# KiCad board Registers.kicad_pcb (continued)
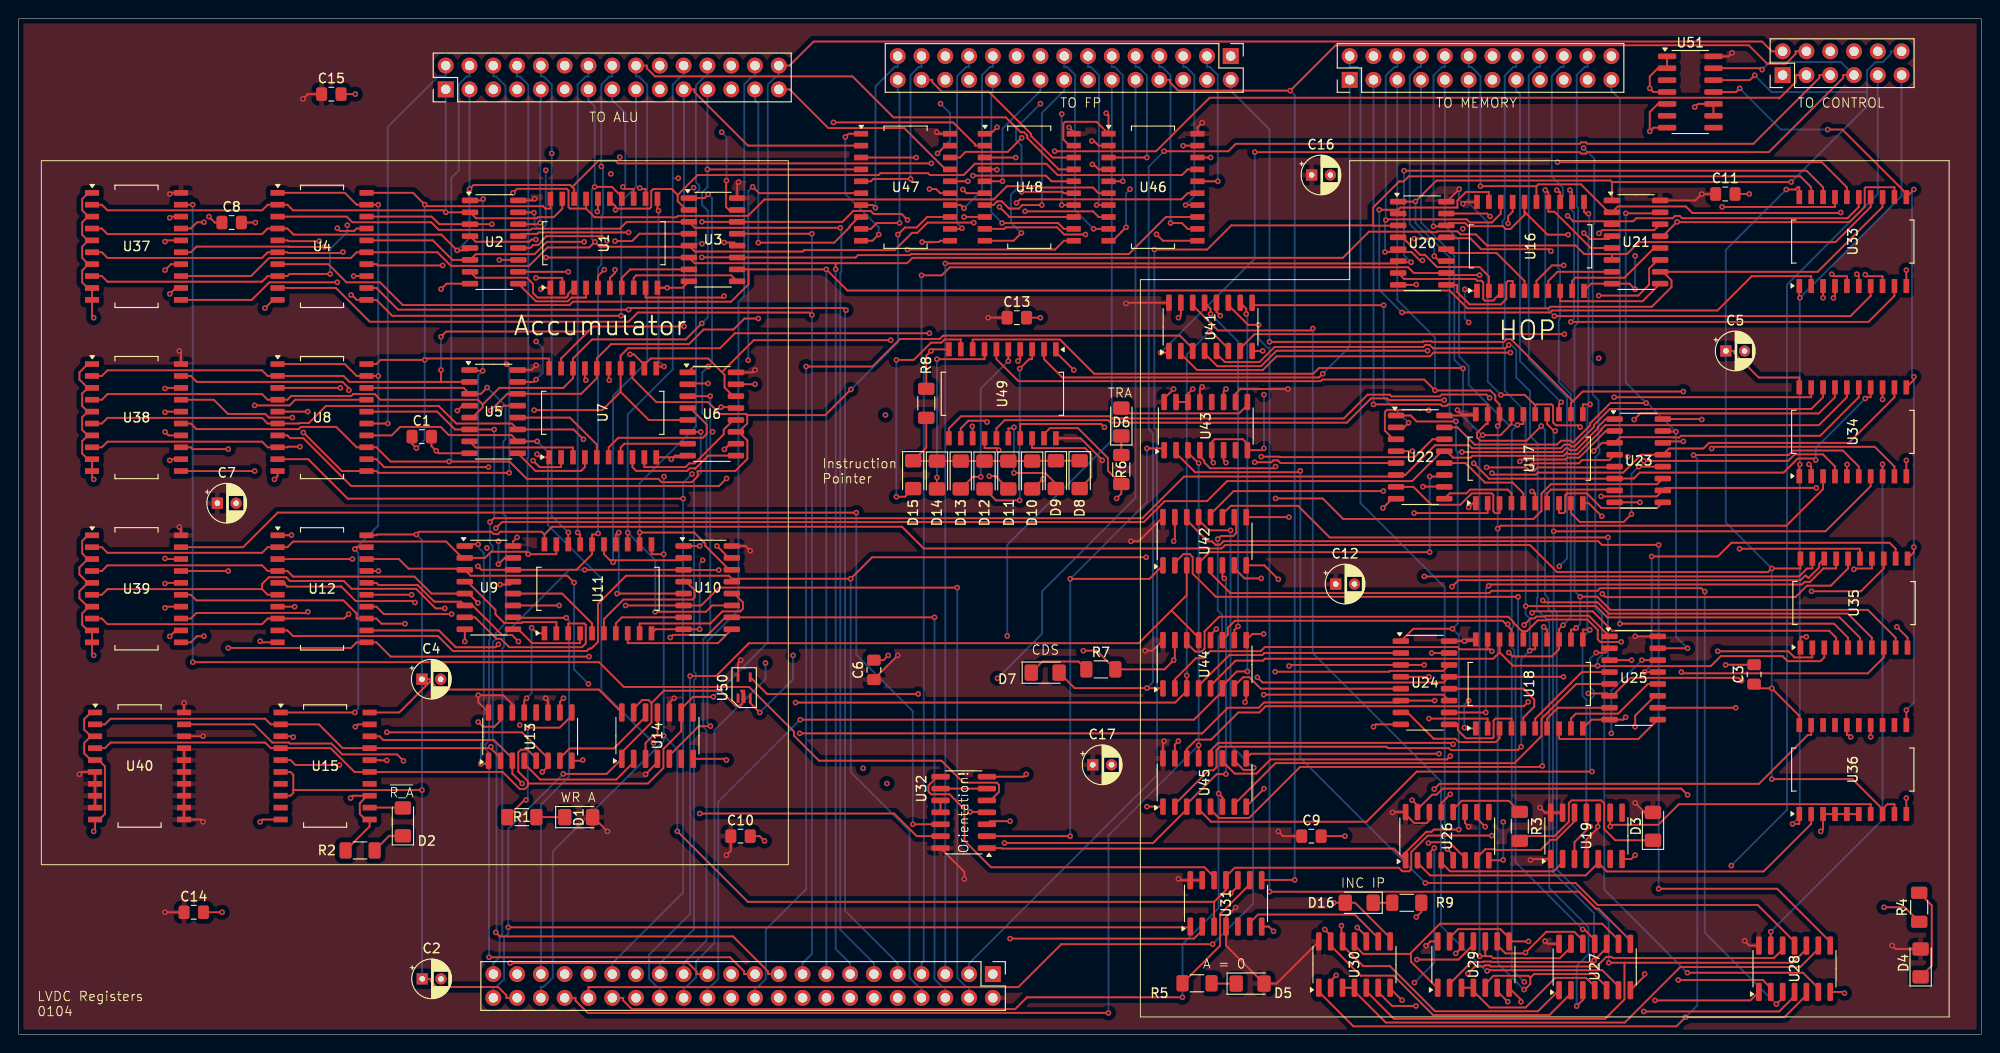
[diagram p0: board, top side]
## Routing (per net, layer and track width the routed paths; a pad name or vN(x,y) marks a point on that pad's centre or on a via; arc(x,y) is an arc through that point) (continued)
A14: length 166
  Top w0.2: U47.13 97,87.29 95.87,86.16 94.62,86.16 v1(93.87,85.41) ; 76.73,64.34 76.88,64.34 77.8,63.42 77.8,61.45 76.52,60.16 72.55,60.16 72.48,60.1 72.49,60.09 72.49,59.59 71.86,58.96 68.65,58.96 68.3,59.32 54.26,59.32 52.4,61.17 v1(45.96,61.17) 39.7,61.17 38.19,62.69 U8.13 36.08,62.69 33.9,64.87 30.14,64.87 29.89,64.63 18.98,64.63 18.37,65.23 U38.15 ; 76.73,64.34 U6.11 ; 76.73,64.34 76.89,64.34 77.78,65.24 77.78,66.12 ; 77.78,66.12 77.66,66.24 74.87,66.24 73.6,67.51 68.09,67.51 65.53,70.07 65.53,71.12 ; 77.78,66.12 86.12,66.12 v1(88.86,68.86)
  Bottom w0.2: v1(93.87,85.41) 93.87,73.88 v1(88.86,68.86) ; J2.4 48.13,102.3 47.84,102.3 46.98,101.44 46.98,92.26 46.19,91.48 46.19,61.41 v1(45.96,61.17)
A15: length 145.7
  Top w0.2: U6.14 76.29,68.15 75.36,69.08 75.36,70.43 75.07,70.72 ; U38.17 20.82,67.77 22.34,66.25 26.32,66.25 26.71,65.86 v1(29.22,65.86) ; v1(30.39,64.27) 34.51,60.15 U8.11 38.19,60.15 38.37,59.97 v1(52.37,59.97) ; v1(93.11,74.13) 78.48,74.13 75.07,70.72 ; 75.07,70.72 73.62,72.17 67.47,72.17 66.8,71.5 ; U7.12 66.8,71.5 ; 66.8,71.5 65.69,72.61 v1(65.26,72.61) ; v1(96.46,84.61) 98.25,84.61 98.39,84.75 U47.11
  In1.Cu w0.2: v1(96.46,84.61) 96.46,82.61 93.11,79.26 v1(93.11,74.13) ; v1(30.39,64.27) 29.22,65.44 v1(29.22,65.86)
  In2.Cu w0.2: v1(52.09,71.56) 53.14,72.61 v1(65.26,72.61)
  Bottom w0.2: v1(52.37,59.97) 52.37,71.28 v1(52.09,71.56) 51.97,71.67 51.97,101.29 50.96,102.3 50.67,102.3 J2.6
A16: length 159.1
  Top w0.2: U39.2 8.87,52.02 9.48,51.42 25.98,51.42 26.58,52.02 U12.2 28.69,52.02 29.29,52.62 45.64,52.62 47.38,50.88 U9.2 49.79,50.88 50.45,51.54 54.14,51.54 v1(54.4,51.27) 57.4,51.27 U11.19 ; U48.2 102.1,94.91 102.1,95.06 99.77,97.39 v1(86.99,97.39)
  In2.Cu w0.2: v1(86.99,97.39) 82.08,102.3 55.23,102.3 54.36,103.17 54.36,103.45 J2.8
  Bottom w0.2: J2.8 53.21,102.3 53.5,102.3 54.4,101.4 54.4,61.6 54.32,61.52 54.32,51.36 v1(54.4,51.27)
A17: length 161
  Top w0.2: U48.4 104.2,92.37 104.23,92.33 v1(104.45,92.33) ; U11.18 58.67,53.57 v1(58.69,53.59) ; v1(49.03,46.07) 48.04,47.07 U9.5 44.07,47.07 42.26,48.88 29.29,48.88 28.69,49.48 U12.4 26.58,49.48 25.98,50.08 9.48,50.08 8.87,49.48 U39.4
  In1.Cu w0.2: v1(49.03,46.07) 49.99,47.03 v1(49.99,51.93)
  In2.Cu w0.2: v1(49.99,51.93) 57.04,51.93 v1(58.69,53.59) ; v1(104.45,92.33) 95.7,92.33 93.77,94.27 57.1,94.27 v1(56.9,94.07)
  Bottom w0.2: J2.10 55.75,102.3 56.04,102.3 56.9,101.44 v1(56.9,94.07) 56.9,55.38 v1(58.69,53.59)
A18: length 173.2
  Top w0.2: 25.98,47.54 9.48,47.54 8.87,46.94 U39.6 ; 25.98,47.54 25.98,48.1 26.7,48.81 28.56,48.81 28.96,48.41 34.71,48.41 35.54,47.57 42.43,47.57 44.52,45.48 v1(45.49,45.48) ; 25.98,47.54 26.58,46.94 U12.6 ; v1(100.81,90.22) 101.2,89.83 U48.6 ; U9.11 v1(57.71,45.8) ; U11.17 59.94,53.38 59.89,53.38 v1(59.68,53.59)
  In1.Cu w0.2: v1(59.68,53.59) 59.68,48.72 59.91,48.49 59.91,47.99 v1(57.71,45.8) ; J2.14 60.83,102.3 61.1,102.3 62.1,101.3 62.1,95.74 v1(64.17,93.67)
  In2.Cu w0.2: v1(64.17,93.67) 91.38,93.67 95.38,89.66 98.2,89.66 98.75,90.22 v1(100.81,90.22) ; v1(57.71,45.8) 56.79,46.71 46.72,46.71 v1(45.49,45.48)
  Bottom w0.2: v1(59.68,53.59) 59.68,101.43 60.55,102.3 60.83,102.3 J2.14
A19: length 154.2
  Top w0.2: U48.8 v1(100.93,87.29) ; v1(49.04,49.97) 49.41,49.61 U9.14 59.55,49.61 61.21,51.27 U11.16 61.21,53.38 61.76,53.38 v1(61.87,53.48) ; v1(35.22,44.88) 34.74,44.4 U12.8 26.58,44.4 25.98,43.8 9.48,43.8 8.87,44.4 U39.8
  In2.Cu w0.2: v1(35.22,44.88) 40.32,49.97 v1(49.04,49.97) ; v1(62.21,92.68) 68.29,92.68 71.81,89.16 72.38,89.16 72.83,88.7 81.18,88.7 81.92,87.97 90.92,87.97 91.23,87.67 91.72,87.67 92.03,87.97 100.25,87.97 v1(100.93,87.29)
  Bottom w0.2: v1(61.87,53.48) 61.87,81.85 62.21,82.19 62.21,87.43 62.39,87.61 62.39,92.5 v1(62.21,92.68) 62.21,101.43 63.09,102.3 63.37,102.3 J2.16
A20: length 169.3
  Top w0.2: U48.17 111.05,92.37 107.69,95.72 107.69,95.98 107.34,96.34 106.99,96.34 105.4,97.93 93.39,97.93 89.02,102.3 67.93,102.3 67.06,103.17 67.06,103.45 J2.18 ; 63.47,50.63 70.74,50.63 U10.2 ; 63.47,50.63 v1(63.47,50.41) ; 63.47,50.63 63.13,50.63 62.48,51.27 U11.15 ; v1(38.41,49.48) U12.17 ; v1(19.78,42.51) 19.03,42.51 18.37,41.86 U39.11
  In2.Cu w0.2: v1(19.78,42.51) 26.74,49.48 v1(38.41,49.48) 39.5,50.57 49.29,50.57 50.86,49.01 62.06,49.01 v1(63.47,50.41)
  Bottom w0.2: J2.18 65.91,102.3 66.2,102.3 67.1,101.4 67.1,71.84 63.47,68.21 v1(63.47,50.41)
A21: length 166.1
  Top w0.2: U39.13 18.37,44.4 18.98,45 30.74,45 v1(30.87,45.13) ; U11.14 63.75,53.38 63.86,53.38 v1(64.07,53.59) ; U10.5 63.88,47.07 v1(63.88,47.06) ; U12.15 41.95,46.94 v1(41.95,46.94) ; v1(107.08,89.97) 111.45,89.97 111.6,89.83 U48.15
  In1.Cu w0.2: v1(64.07,53.59) 64.07,68.89 68.3,73.12 68.3,86.66 v1(72.06,90.42) 72.15,90.51 72.15,101.4 71.37,102.18 70.61,102.18 69.6,103.19 69.6,103.45 J2.20
  In2.Cu w0.2: v1(63.88,47.06) 63.78,47.16 42.18,47.16 v1(41.95,46.94) 39.27,44.26 31.73,44.26 v1(30.87,45.13) ; v1(107.08,89.97) 104.55,89.97 104.19,89.61 98.97,89.61 98.57,89.21 95.27,89.21 94.5,89.98 91.16,89.98 90.8,89.61 81.97,89.61 81.68,89.91 77.29,89.91 76.78,90.42 v1(72.06,90.42)
  Bottom w0.2: v1(64.07,53.59) 64.07,47.26 v1(63.88,47.06)
A22: length 171.1
  Top w0.2: U39.15 18.37,46.94 18.98,46.34 34.68,46.34 36.08,44.93 36.08,44.4 U12.13 38.19,44.4 38.73,43.85 v1(41.25,43.85) ; U48.13 105.79,87.29 v1(104.72,88.36) ; v1(65.02,53.58) U11.13 ; U10.11 74.05,45.8 73.39,45.13 v1(67.96,45.13)
  In2.Cu w0.2: v1(41.25,43.85) 41.75,43.35 53.98,43.35 54.83,42.49 65.32,42.49 v1(67.96,45.13) ; v1(104.72,88.36) 104.27,88.81 99.3,88.81 98.9,88.41 94.93,88.41 94.53,88.81 92.86,88.81 92.82,88.77 91.82,88.77 91.46,89.14 91.13,88.81 81.64,88.81 81.35,89.1 73,89.1 72.54,89.56 72.07,89.56 70.42,91.2 v1(70.42,91.43)
  Bottom w0.2: J2.22 70.99,102.3 70.71,102.3 69.84,101.44 69.84,91.43 ; 69.84,91.43 69.84,71.03 65.02,66.21 v1(65.02,53.58) 67.96,50.64 v1(67.96,45.13) ; 69.84,91.43 v1(70.42,91.43)
A23: length 175.7
  Top w0.2: v1(60.9,40.34) 39.71,40.34 38.19,41.86 U12.11 36.08,41.86 35.48,41.26 v1(22.37,41.26) ; U11.12 v1(66.29,53.59) 72.12,53.59 73.31,52.4 73.31,52.17 75.87,49.61 U10.14 ; U39.17 v1(22.37,49.48) ; v1(94.9,83.81) 110.66,83.81 111.6,84.75 U48.11
  In1.Cu w0.2: v1(60.9,40.34) 60.9,48.7 63.22,51.01 63.72,51.01 v1(66.29,53.59) ; v1(22.37,49.48) v1(22.37,41.26)
  In2.Cu w0.2: v1(72.95,84.43) 73.58,83.81 v1(94.9,83.81)
  Bottom w0.2: v1(66.29,53.59) 66.29,58.87 72.3,64.88 72.3,84.43 ; 72.3,84.43 72.3,89.81 72.66,90.17 72.66,90.66 72.3,91.02 72.3,101.36 73.25,102.3 73.53,102.3 J2.24 ; 72.3,84.43 v1(72.95,84.43)
A24: length 149.1
  Top w0.2: v1(50.42,30.71) 50.39,30.67 50.39,30.56 ; v1(73.86,32.9) 72.61,32.9 69.47,29.77 U14.5 ; 50.39,30.56 U15.17 34.59,30.56 32.05,33.1 U15.2 26.91,33.1 26.31,33.7 9.81,33.7 9.2,33.1 U40.2 ; 50.39,30.56 51.43,29.51 U13.2
  In2.Cu w0.2: v1(50.42,30.71) 54.22,30.71 56.42,32.9 v1(73.86,32.9)
  Bottom w0.2: v1(73.86,32.9) 73.53,33.23 73.53,41.98 76.85,45.3 76.85,78.24 77.46,78.85 77.46,101.44 78.32,102.3 78.61,102.3 J2.28
A25: length 260.7
  Top w0.2: U13.5 55.24,29.47 54.32,30.4 53.63,30.4 53.34,30.12 53.34,28.05 54.36,27.03 54.36,26.78 ; 54.36,26.78 67.18,26.78 68.83,28.43 68.83,30.47 70.74,32.38 U14.9 70.74,34.77 72.01,36.04 v1(74.17,36.04) ; 54.36,26.78 54.36,26.53 54,26.18 53.51,26.18 51.67,28.02 U15.15 35.85,28.02 33.31,30.56 U15.4 26.91,30.56 26.31,31.16 9.81,31.16 9.2,30.56 U40.4 ; J3.2 187.19,104.98 186.15,106.02 84.87,106.02 82.3,103.45 J2.30
  Bottom w0.2: J2.30 81.15,102.3 80.87,102.3 79.99,101.42 79.99,41.85 v1(74.17,36.04)
ACCUM_ZERO: length 161.3
  Top w0.2: v1(136.24,16.48) 132.74,16.48 U31.8 ; J5.8 122.94,101.93 122.94,101.64 123.81,100.78 v1(135.77,100.78) 140.61,105.62 184.72,105.62 186.7,103.65 188.67,103.65 189.73,104.71 189.73,104.98 J3.4
  Bottom w0.2: v1(135.77,100.78) 136.24,100.3 v1(136.24,16.48)
ACCW: length 257.6
  Top w0.2: v1(49.06,52.33) 47.81,52.33 U9.1 ; U10.1 v1(72.71,52.15) ; U6.1 72.06,71.32 v1(73.62,71.32) ; v1(49.35,28.88) 49.83,28.88 U13.1 ; v1(49.54,70.86) 48.22,70.86 U5.1 ; v1(73.62,89.71) 73.22,89.31 U3.1 ; v1(49.59,89.21) 49.44,89.05 U2.1
  In2.Cu w0.2: v1(49.06,52.33) 49.06,52.01 50.09,50.98 51.32,50.98 51.64,50.66 59.37,50.66 60.86,52.15 v1(72.71,52.15) ; v1(73.62,89.71) 73.82,89.51 81.51,89.51 81.81,89.21 90.96,89.21 91.33,89.57 91.59,89.57 91.99,89.17 92.66,89.17 92.7,89.21 94.7,89.21 95.1,88.81 98.73,88.81 99.13,89.21 104.35,89.21 104.53,89.39 106.79,89.39 106.86,89.32 108.16,89.32 108.38,89.54 174.29,89.54 187.19,102.44 J3.1
  Bottom w0.2: v1(49.35,28.88) 49.35,31.05 49.66,31.37 49.66,51.41 49.06,52.02 v1(49.06,52.33) 49.06,70.37 v1(49.54,70.86) 49.54,89.15 v1(49.59,89.21) ; v1(72.71,52.15) 73.43,52.87 73.43,65.88 72.98,66.34 72.98,70.67 v1(73.62,71.32) 74.02,71.72 74.02,89.3 v1(73.62,89.71)
BUFF_A0: length 13.3
  Top w0.2: U46.18 126.91,93.64 126.91,93.64 v1(127.27,93.64)
  In1.Cu w0.2: v1(127.27,93.64) 128.26,94.63 128.26,102.45 129.12,103.32 129.41,103.32 J5.1
BUFF_A1: length 16.2
  Top w0.2: v1(128.03,91.1) U46.16
  Bottom w0.2: v1(128.03,91.1) 128.03,102.45 127.16,103.32 126.87,103.32 J5.3
BUFF_A2: length 18.2
  Top w0.2: U46.14 v1(124.58,88.56)
  Bottom w0.2: J5.5 124.33,103.32 124.62,103.32 125.52,102.42 125.52,89.49 v1(124.58,88.56)
BUFF_A3: length 21.6
  Top w0.2: v1(122.98,86.64) 124.18,86.64 124.81,86.02 U46.12
  Bottom w0.2: v1(122.98,86.64) 122.98,102.42 122.08,103.32 121.79,103.32 J5.7
BUFF_A4: length 15.6
  Top w0.2: v1(120.46,93.64) U46.3
  Bottom w0.2: J5.9 119.25,103.32 119.54,103.32 120.46,102.4 v1(120.46,93.64)
BUFF_A5: length 15.6
  Top w0.2: U46.5 v1(117.89,91.1)
  Bottom w0.2: v1(117.89,91.1) 117.89,102.43 117,103.32 116.71,103.32 J5.11
BUFF_A6: length 17.9
  Top w0.2: U46.7 v1(115.09,88.56)
  Bottom w0.2: v1(115.09,88.56) 115.33,88.8 115.33,102.45 114.46,103.32 114.17,103.32 J5.13
BUFF_A7: length 21.5
  Top w0.2: v1(114.76,86.02) U46.9
  Bottom w0.2: v1(114.76,86.02) 112.78,87.99 112.78,102.45 111.92,103.32 111.63,103.32 J5.15
BUFF_A8: length 18.2
  Top w0.2: v1(107.09,95.74) 105.59,94.24 101.09,94.24 100.49,93.64 U47.18
  In1.Cu w0.2: v1(107.09,95.74) 107.82,96.47 107.82,102.32 108.82,103.32 109.09,103.32 J5.17
BUFF_A9: length 18.1
  Top w0.2: U47.16 v1(101.34,91.1)
  In1.Cu w0.2: v1(101.34,91.1) 102.17,91.1 105.4,94.33 105.4,102.45 106.26,103.32 106.55,103.32 J5.19
BUFF_A10: length 19.3
  Top w0.2: U47.14 100.57,88.56 v1(100.92,88.21)
  Bottom w0.2: J5.21 104.01,103.32 103.72,103.32 102.86,102.45 102.86,90.15 v1(100.92,88.21)
BUFF_A11: length 20.6
  Top w0.2: U47.12 100.49,86.02 100.56,86.08 v1(100.72,86.08)
  Bottom w0.2: J5.23 101.47,103.32 101.19,103.32 100.19,102.33 100.19,86.6 v1(100.72,86.08)
BUFF_A12: length 18.2
  Top w0.2: U47.3 v1(95.83,93.64)
  In1.Cu w0.2: J5.25 98.93,103.32 98.66,103.32 97.54,102.2 97.54,101.45 97.41,101.32 97.41,95.22 v1(95.83,93.64)
BUFF_A13: length 19.2
  Top w0.2: U47.5 90.99,91.1 91.24,91.34 v1(95.23,91.34)
  Bottom w0.2: J5.27 96.39,103.32 96.11,103.32 95.23,102.44 v1(95.23,91.34)
BUFF_A14: length 19
  Top w0.2: v1(91.48,88.27) 91.19,88.56 U47.7
  Bottom w0.2: J5.29 93.85,103.32 93.57,103.32 91.48,101.23 v1(91.48,88.27)
BUFF_A15: length 19.7
  Top w0.2: U47.9 90.99,86.02 91.62,86.64 v1(94.05,86.64)
  Bottom w0.2: J5.30 93.85,100.78 94.05,100.58 v1(94.05,86.64)
BUFF_A16: length 20
  Top w0.2: U48.18 110.4,93.64 108.09,95.94 108.09,96.15 103.58,100.66 98.57,100.66 97.54,101.69 97.54,101.93 J5.28
BUFF_A17: length 22.5
  Top w0.2: v1(101.88,91.7) 109.68,91.7 110.28,91.1 U48.16
  In1.Cu w0.2: J5.26 98.93,100.78 101.88,97.84 v1(101.88,91.7)
BUFF_A18: length 22.6
  Top w0.2: U48.14 v1(111.36,88.56)
  In2.Cu w0.2: J5.24 102.62,101.93 102.62,101.66 106,98.29 v1(111.36,98.29)
  Bottom w0.2: v1(111.36,98.29) v1(111.36,88.56)
BUFF_A19: length 23.7
  Top w0.2: U48.12 111.6,86.02 110.98,86.64 v1(105,86.64)
  Bottom w0.2: v1(105,86.64) 103.84,87.79 103.84,100.61 104.01,100.78 J5.22
BUFF_A20: length 11.6
  Top w0.2: U48.3 v1(106.46,93.64)
  In1.Cu w0.2: J5.20 106.55,100.78 106.46,100.69 v1(106.46,93.64)
BUFF_A21: length 14.4
  Top w0.2: U48.5 v1(105.05,91.1)
  Bottom w0.2: v1(105.05,91.1) 105.05,96.73 109.09,100.78 J5.18
BUFF_A22: length 21.1
  Top w0.2: v1(109.24,88.56) 107.16,88.56 106.79,88.18 105.74,88.18 104.97,88.96 104.47,88.96 104.07,88.56 U48.7
  Bottom w0.2: J5.16 111.63,100.78 109.24,98.39 v1(109.24,88.56)
BUFF_A23: length 27.8
  Top w0.2: U48.9 105.22,86.02 105.39,86.18 110.87,86.18 111.63,85.41 v1(113.9,85.41)
  In1.Cu w0.2: v1(113.9,85.41) 113.9,100.5 114.17,100.78 J5.14
BUFF_A24: length 147.4
  Top w0.2: U15.3 29.02,31.83 29.11,31.73 v1(29.31,31.73)
  In2.Cu w0.2: v1(105.55,42.55) 104.48,41.48 53.96,41.48 53.96,42.2 53.6,42.55 40.13,42.55 v1(29.31,31.73)
  Bottom w0.2: v1(105.55,42.55) 105.55,52.27 116.71,63.43 J5.12
BUFF_A25: length 151
  Top w0.2: v1(34.25,28.77) 29.54,28.77 29.02,29.29 U15.5
  In2.Cu w0.2: v1(104.51,38.02) 72.29,38.02 71.94,37.66 71.44,37.66 71.08,38.02 49.04,38.02 39.67,28.65 34.36,28.65 v1(34.25,28.77)
  Bottom w0.2: v1(104.51,38.02) 109.27,42.78 109.27,47.31 119.25,57.29 J5.10
CDS: length 159.4
  Top w0.2: J3.5 192.27,102.44 192.27,102.15 185.22,95.1 167.49,95.1 167.33,95.26 166.83,95.26 166.68,95.1 129.95,95.1 129.16,94.3 v1(122.29,94.3) ; 122.17,36.94 122.15,36.96 v1(120.46,36.96) 112.74,36.96 D7.2 ; 122.17,24.31 v1(120.46,24.31)
  In1.Cu w0.2: v1(120.46,36.96) v1(120.46,24.31)
  Bottom w0.2: v1(122.29,94.3) 120.65,92.66 120.65,64.64 121.11,64.18 121.11,37.61 v1(120.46,36.96)
CLK: length 298
  Top w0.2: v1(157.28,21.22) 150.45,21.22 148.68,19.45 148.68,17.63 148.46,17.41 147.74,17.41 147.37,17.78 129.83,17.78 128.91,16.85 U31.11 128.91,15.41 127.63,14.14 ; U7.11 68.27,71.32 v1(68.9,71.32) ; U16.11 167.13,87.85 167.35,87.63 v1(167.61,87.63) ; U11.11 67.56,51.27 v1(68.86,51.27) ; U17.11 167,67.27 v1(167.78,67.27) ; v1(68.31,87.96) 68.31,88.06 68.2,88.18 U1.11 ; U19.11 167.39,22.58 v1(167.78,22.19) 166.12,20.52 U19.3 ; 127.63,14.14 77.85,14.14 v1(70.32,21.67) ; 127.63,14.14 U31.3 ; 68.2,31.89 v1(68.86,31.89) ; 68.2,31.89 67.71,31.89 66.93,31.11 U14.3 ; 68.2,31.89 U14.11 ; v1(167.75,43.18) 167.71,43.22 167,43.22 U18.11
  In1.Cu w0.2: v1(68.9,71.32) v1(68.9,59.56)
  In2.Cu w0.2: v1(167.78,22.19) 166.82,21.22 v1(157.28,21.22)
  Bottom w0.2: v1(68.9,71.32) 68.31,71.9 v1(68.31,87.96) ; J1.40 55.75,5.04 56.02,5.04 57.02,6.04 57.02,19.5 68.86,31.34 v1(68.86,31.89) ; v1(167.78,22.19) 167.38,22.59 167.38,35.75 166.98,36.15 166.98,42.41 v1(167.75,43.18) 167.49,43.44 167.49,66.98 v1(167.78,67.27) 167.61,67.44 167.61,85.23 167.71,85.32 167.71,87.54 v1(167.61,87.63) ; v1(68.86,31.89) 70.32,30.43 v1(70.32,21.67) ; v1(68.86,31.89) v1(68.86,51.27) 68.86,59.52 v1(68.9,59.56)
CSYLLABLE: length 126.7
  Top w0.2: U33.8 199.01,80.96 197.34,80.96 v1(197.17,81.13) ; v1(159.28,72.8) 159.28,72.8 151.07,72.8 151.07,72.8 150.67,72.4 134.29,72.4 132.84,70.95 125.8,70.95 124.08,72.67 U41.2 ; U16.13 164.59,89.95 164.43,89.95 v1(164.22,90.15)
  In1.Cu w0.2: v1(197.17,81.13) 197.17,102.91 196.25,103.83 195.96,103.83 J3.8 ; v1(159.28,72.8) 159.28,72.85 164.22,77.8 v1(164.22,90.15)
  In2.Cu w0.2: v1(159.28,72.8) 159.28,72.85 163.72,77.3 193.34,77.3 v1(197.17,81.13)
DB0: length 254.3
  Top w0.2: 144.61,86.39 144.61,88.3 147.39,91.08 147.88,91.08 148.42,91.63 190.22,91.63 191.39,90.46 U33.19 ; 144.61,86.39 129.47,86.39 126.9,83.81 v1(121.26,83.81) ; 144.61,86.39 144.64,86.36 147.26,86.36 U20.3 ; U4.18 44.09,87.33 44.91,86.51 U2.3 v1(50.52,86.51)
  In2.Cu w0.2: v1(50.52,86.51) 55.11,91.1 67.05,91.1 67.45,90.7 68.7,90.7 71.5,87.9 80.57,87.9 84.06,84.41 94.29,84.41 94.29,84.41 95.81,84.41 96.82,83.41 120.86,83.41 v1(121.26,83.81)
  Bottom w0.2: v1(121.26,83.81) 121.26,64.82 121.54,64.54 121.54,27.65 101.47,7.58 J1.3
DB1: length 246.9
  Top w0.2: 147.28,82.45 147.16,82.32 v1(98.93,82.32) ; 147.28,82.45 U20.6 ; 147.28,82.45 v1(148.68,82.45) ; v1(147.91,92.22) 190.89,92.22 192.66,90.46 U33.18 ; v1(60.38,84.63) 56.39,84.63 55.07,83.31 48.8,83.31 U2.6 46.3,82.7 44.22,84.79 U4.16
  In2.Cu w0.2: v1(98.93,82.32) 62.69,82.32 v1(60.38,84.63)
  Bottom w0.2: v1(148.68,82.45) 147.91,83.21 v1(147.91,92.22) ; v1(98.93,82.32) J1.5
DB2: length 242.4
  Top w0.2: v1(45.26,82.11) 38.32,82.11 38.19,82.25 U4.14 ; v1(181.87,88.36) 193.93,88.36 U33.17 ; v1(155.98,81.08) 152.66,81.08 U20.10 148.96,81.31 148.35,81.91 99.41,81.91 98.55,81.05 v1(96.39,81.05) ; v1(58.68,81.43) U2.10
  In2.Cu w0.2: v1(96.39,81.05) 59.06,81.05 v1(58.68,81.43) 45.94,81.43 v1(45.26,82.11) ; v1(155.98,81.08) 160.9,86 166.68,86 166.86,86.17 167.35,86.17 167.53,86 168.34,86 168.48,86.14 177.29,86.14 177.75,86.6 180.12,86.6 v1(181.87,88.36)
  Bottom w0.2: J1.7 96.39,7.58 96.64,7.83 96.64,71.77 96.39,72.02 v1(96.39,81.05)
DB3: length 267.7
  Top w0.2: U4.12 38.19,79.71 40.5,77.39 v1(65.12,77.39) 65.3,77.57 88.1,77.57 v1(88.33,77.34) ; v1(65.12,85.63) 55.51,85.63 55.36,85.48 53.58,85.48 U2.13 ; v1(149.02,84.97) 152.29,84.97 U20.13 152.53,85.02 154.97,85.02 156.15,83.84 163.41,83.84 v1(163.61,83.64) ; v1(164.29,93.13) 192.52,93.13 195.2,90.46 U33.16
  In1.Cu w0.2: v1(65.12,77.39) v1(65.12,85.63) ; v1(163.61,83.64) 163.61,92.45 v1(164.29,93.13)
  In2.Cu w0.2: v1(149.02,84.97) 144.92,80.87 99.53,80.87 96,77.34 v1(88.33,77.34)
  Bottom w0.2: v1(88.33,77.34) 88.23,77.23 88.23,13.2 93.85,7.58 J1.9
DB4: length 256.3
  Top w0.2: 170.11,86.83 172.39,86.83 172.7,87.15 176.59,87.15 176.85,87.4 177.35,87.4 177.61,87.15 195.26,87.15 196.47,88.36 U33.15 ; 170.11,86.83 170.11,86.51 ; 170.11,86.83 165.97,86.83 v1(165.38,87.42) ; v1(87.73,86.13) 72.19,86.13 U3.3 64.91,86.77 64.18,86.04 54.78,86.04 54.65,85.91 44.86,85.91 44.04,86.72 35.62,86.72 35.02,87.33 U4.3
  In2.Cu w0.2: v1(165.38,87.42) 164.85,87.94 146.11,87.94 144.33,86.16 123.53,86.16 122.18,84.81 119.95,84.81 119.35,84.21 100.12,84.21 98.72,85.61 94.52,85.61 94.12,86.01 87.84,86.01 v1(87.73,86.13)
  Bottom w0.2: J1.11 91.31,7.58 87.73,11.16 87.73,81.35 87.83,81.45 87.83,86.03 v1(87.73,86.13)
DB5: length 253.9
  Top w0.2: 87.23,82.35 94.85,82.35 95.43,82.92 141.38,82.92 144.17,85.72 150.76,85.72 150.82,85.66 151.38,85.66 151.47,85.75 153.62,85.75 153.95,85.42 155.59,85.42 156.77,84.25 166.23,84.25 167.14,83.33 170.11,83.33 ; 87.23,82.35 72.16,82.35 U3.6 v1(56.3,82.96) ; 87.23,82.35 v1(87.23,81.7) ; U4.5 28.69,84.79 28.77,84.7 v1(32.09,84.7) ; 170.11,83.33 171.73,83.33 173,84.61 193.99,84.61 197.74,88.36 U33.14 ; 170.11,83.33 170.11,82.7
  In2.Cu w0.2: v1(56.3,82.96) 54.55,84.7 v1(32.09,84.7)
  Bottom w0.2: J1.13 88.77,7.58 87.23,9.12 v1(87.23,81.7)
DB6: length 262.3
  Top w0.2: U3.10 77.93,81.69 ; 77.93,81.69 77.93,80.11 76.06,78.24 59.16,78.24 58.8,77.87 41.01,77.87 38.58,80.31 34.99,80.31 33.05,82.25 U4.7 ; 77.93,81.69 v1(86.23,81.69) 88.49,79.43 152.79,79.43 154.69,77.53 163.38,77.53 163.55,77.7 174.38,77.7 176.47,79.8 176.47,80.52 175.56,81.43 U21.10 192.08,81.43 199.01,88.36 U33.13
  Bottom w0.2: v1(86.23,81.69) J1.15
DB7: length 270.7
  Top w0.2: v1(84.69,76.82) 84.43,77.08 66.1,77.08 65.12,76.1 37.48,76.1 33.87,79.71 U4.9 ; U3.13 v1(84.69,85.5) ; U33.12 200.28,90.46 197.21,90.46 197.1,90.36 197.1,88.37 195.47,86.73 177.1,86.73 v1(177.07,86.77) 175.54,85.24 U21.13
  In2.Cu w0.2: v1(84.69,85.5) 85.37,84.81 94.12,84.81 94.52,85.21 96.71,85.21 98.12,83.81 119.65,83.81 120.25,84.41 142.79,84.41 144,85.62 153.75,85.62 153.95,85.42 158.7,85.42 159.68,86.4 166.51,86.4 166.69,86.58 176.88,86.58 v1(177.07,86.77)
  Bottom w0.2: v1(84.69,85.5) v1(84.69,76.82) 84.69,8.57 83.69,7.58 J1.17
DB8: length 259
  Top w0.2: v1(50.02,69.07) 49.35,68.4 U5.3 47.5,69.04 U8.18 ; U22.3 146.79,63.54 145.87,64.46 145.87,66.48 146.08,66.69 150.51,66.69 v1(150.55,66.64) ; v1(50.93,10.88) 51.36,10.45 76.27,10.45 80,6.71 80,6.43 J1.19 ; v1(170.35,68.04) 191.39,68.04 U34.19
  In2.Cu w0.2: v1(170.35,68.04) 169.4,68.99 152.63,68.99 150.55,66.91 v1(150.55,66.64) 144.35,66.64 143.41,67.58 74.22,67.58 74.16,67.52 73.22,67.52 72.44,68.3 53.03,68.3 52.22,69.1 50.05,69.1 v1(50.02,69.07)
  Bottom w0.2: v1(50.02,69.07) 51.97,67.12 51.97,63.55 51.74,63.32 51.74,55.57 52.02,55.29 52.02,43.95 50.93,42.87 50.93,42.2 50.62,41.89 50.62,31.36 51.02,30.96 51.02,10.96 v1(50.93,10.88)
DB9: length 250.3
  Top w0.2: U34.18 192.66,68.04 191.41,66.79 169.9,66.79 168.19,65.08 168.19,64.87 166.11,62.78 165.78,62.78 165.58,62.98 165.03,62.98 164.63,62.58 155.18,62.58 154.85,62.91 151.23,62.91 148.05,59.73 U22.6 146.9,59.56 124.43,59.56 119.97,55.11 50.72,55.11 v1(50.32,54.71) ; v1(50.77,64.59) U5.6 46.58,64.59 44.68,66.5 U8.16 ; v1(50.22,8.23) 75.95,8.23 77.46,6.71 77.46,6.43 J1.21
  Bottom w0.2: v1(50.77,64.59) 50.77,55.15 v1(50.32,54.71) 50.32,52.45 50.59,52.18 50.59,51.68 50.32,51.41 50.32,42.16 50.22,42.06 50.22,31.36 49.82,30.96 49.82,30.46 50.22,30.06 v1(50.22,8.23)
DB10: length 234.8
  Top w0.2: U22.10 152.19,58.49 v1(149.93,58.49) ; v1(172.49,65.65) 173.14,66.3 192.2,66.3 193.93,68.04 U34.17 ; v1(55.36,63.32) U5.10 52.62,63.99 45.93,63.99 45.05,64.86 40.72,64.86 39.81,63.96 U8.14
  In1.Cu w0.2: v1(171.8,61.69) 172.49,62.37 v1(172.49,65.65) ; J1.23 76.07,7.58 67.78,15.87 v1(67.78,31.11)
  In2.Cu w0.2: v1(55.36,63.32) 55.77,62.91 67.53,62.91 67.69,63.07 100.9,63.07 103.77,60.2 103.88,60.2 105.37,58.71 149.71,58.71 v1(149.93,58.49) 153.79,58.49 157.17,61.87 162.88,61.87 163.06,61.69 v1(171.8,61.69)
  Bottom w0.2: v1(55.36,63.32) 56.5,62.18 56.5,54.39 62.21,48.68 62.21,36.68 v1(67.78,31.11)
DB11: length 250.3
  Top w0.2: J1.25 72.38,6.43 72.38,6.71 71.49,7.61 v1(52.48,7.61) ; U34.16 195.2,68.04 192.21,65.05 169.4,65.05 169,64.64 169,64.54 166.44,61.98 165.44,61.98 165.3,62.12 164.96,61.78 155.22,61.78 155.02,61.58 153.15,61.58 152.46,62.27 U22.13 151.97,62.27 148.78,59.08 129.02,59.08 126.88,56.94 122.37,56.94 120.14,54.71 51.61,54.71 v1(50.94,54.04) ; v1(51.36,66.72) 51.77,67.13 U5.13 ; v1(50.16,60.57) 39.04,60.57 38.19,61.42 U8.12
  In1.Cu w0.2: v1(52.48,7.61) 52.92,8.05 52.92,25.63 51.02,27.53 51.02,30.96 50.62,31.36 50.62,53.72 v1(50.94,54.04) 50.94,59.79 v1(50.16,60.57) 50.16,65.53 v1(51.36,66.72)
DB12: length 239.7
  Top w0.2: U34.15 196.47,68.04 192.35,63.92 177.49,63.92 177.31,63.73 176.72,63.73 176.69,63.76 171,63.76 U23.3 169.04,63.16 v1(168.17,62.29) ; U6.3 v1(73.83,68.15) ; U8.3 v1(34.34,69.04)
  In2.Cu w0.2: v1(34.34,69.04) 34.68,69.37 37.1,69.37 37.21,69.26 49.36,69.26 49.42,69.32 49.42,69.32 49.77,69.67 50.27,69.67 50.44,69.5 52.39,69.5 53.19,68.7 73.28,68.7 v1(73.83,68.15) ; v1(74.08,64.34) 100.96,64.34 101.74,63.57 152.99,63.57 153.55,63.01 167.46,63.01 v1(168.17,62.29)
  Bottom w0.2: J1.27 70.99,7.58 73.43,10.02 73.43,32.48 73.09,32.82 73.09,42.2 73.83,42.94 73.83,64.34 ; v1(73.83,68.15) 73.83,64.34 ; 73.83,64.34 v1(74.08,64.34)
DB13: length 241.4
  Top w0.2: U6.6 v1(72.82,64.34) ; v1(191.87,61.33) 191.72,61.49 189.95,61.49 188.45,59.99 173.08,59.99 172.44,59.35 U23.6 170.38,59.34 157,59.34 v1(155.36,60.98) ; v1(197.16,67.9) 197.3,68.04 197.74,68.04 U34.14 ; v1(30.85,66.5) U8.5
  In2.Cu w0.2: v1(155.36,60.98) 154.45,60.98 152.26,63.17 101.37,63.17 100.97,63.57 73.59,63.57 v1(72.82,64.34) 69.67,67.5 52.69,67.5 51.89,68.3 50.66,68.3 50.4,68.03 32.39,68.03 v1(30.85,66.5)
  Bottom w0.2: v1(197.16,67.9) 191.87,62.61 v1(191.87,61.33) ; v1(72.82,64.34) 72.82,59.93 72.1,59.21 72.1,38.7 72.29,38.51 72.29,38.01 72.1,37.83 72.1,11.23 68.45,7.58 J1.29
DB14: length 246.9
  Top w0.2: v1(168.96,57.45) 174.91,57.45 U23.10 175.82,58.35 v1(191.93,58.35) ; U6.10 75.95,63.07 v1(75.35,62.46) ; U8.7 28.69,63.96 28.98,63.67 30.39,63.67 35.49,58.56 74.78,58.56 v1(75.58,59.36) ; v1(199.01,67.8) U34.13
  In1.Cu w0.2: J1.31 65.91,49.7 v1(75.58,59.36) 75.58,62.23 v1(75.35,62.46) ; v1(191.93,58.35) 191.93,60.28 199.01,67.35 v1(199.01,67.8)
  In2.Cu w0.2: v1(75.58,59.36) 81.45,53.49 128.27,53.49 128.65,53.11 164.63,53.11 v1(168.96,57.45)
DB15: length 247.1
  Top w0.2: U6.13 76.48,66.98 v1(74.99,66.98) ; U8.9 30.91,61.42 35.12,57.2 v1(70.94,57.2) ; U34.12 200.28,68.04 195.41,63.16 180.48,63.16 179.88,62.56 176.22,62.56 U23.13 173.23,61.89 171.32,59.99 162.2,59.99 161.98,59.77 157.46,59.77 v1(157.29,59.94)
  In1.Cu w0.2: v1(71.89,59.84) 71.89,61.3 74.99,64.4 v1(74.99,66.98)
  In2.Cu w0.2: v1(71.89,59.84) 72.02,59.97 91.99,59.97 93.66,58.31 143.75,58.31 144.64,57.41 154.76,57.41 v1(157.29,59.94)
  Bottom w0.2: J1.33 63.37,7.58 70.94,15.14 v1(70.94,57.2) 70.94,58.89 v1(71.89,59.84)
DB16: length 208.2
  Top w0.2: U35.19 191.52,49.75 190.95,49.75 190.1,48.9 v1(150.07,48.9) ; v1(150.07,39.45) 135.74,39.45 v1(135.63,39.33) ; U12.18 40.6,50.75 41.62,49.73 47.5,49.73 U9.3 48.26,48.97 58.58,48.97 v1(59.3,48.24)
  In1.Cu w0.2: v1(150.07,39.45) v1(150.07,48.9) ; v1(60.83,37.42) J1.35
  In2.Cu w0.2: v1(60.83,37.42) 60.99,37.26 105.1,37.26 105.44,37.59 131.94,37.59 132.01,37.51 133.81,37.51 v1(135.63,39.33)
  Bottom w0.2: v1(59.3,48.24) 59.3,38.94 v1(60.83,37.42)
DB17: length 211.2
  Top w0.2: v1(53.36,41.95) 52.66,42.64 51.61,42.64 48.45,45.8 U9.6 47.22,46.2 44.37,46.2 42.59,47.98 38.42,47.98 38.19,48.21 U12.16 ; v1(151.19,35.64) 147.57,35.64 147.37,35.43 132.96,35.43 132.4,34.87 129.1,34.87 126.37,32.14 v1(83.38,32.14) ; v1(153.04,47.81) 153.73,48.49 190.26,48.49 190.75,48.98 190.83,48.98 191.05,48.76 191.13,48.76 192.24,49.87 192.24,50.26 U35.18